# KiCad board labathome_pcb.kicad_pcb (continued)
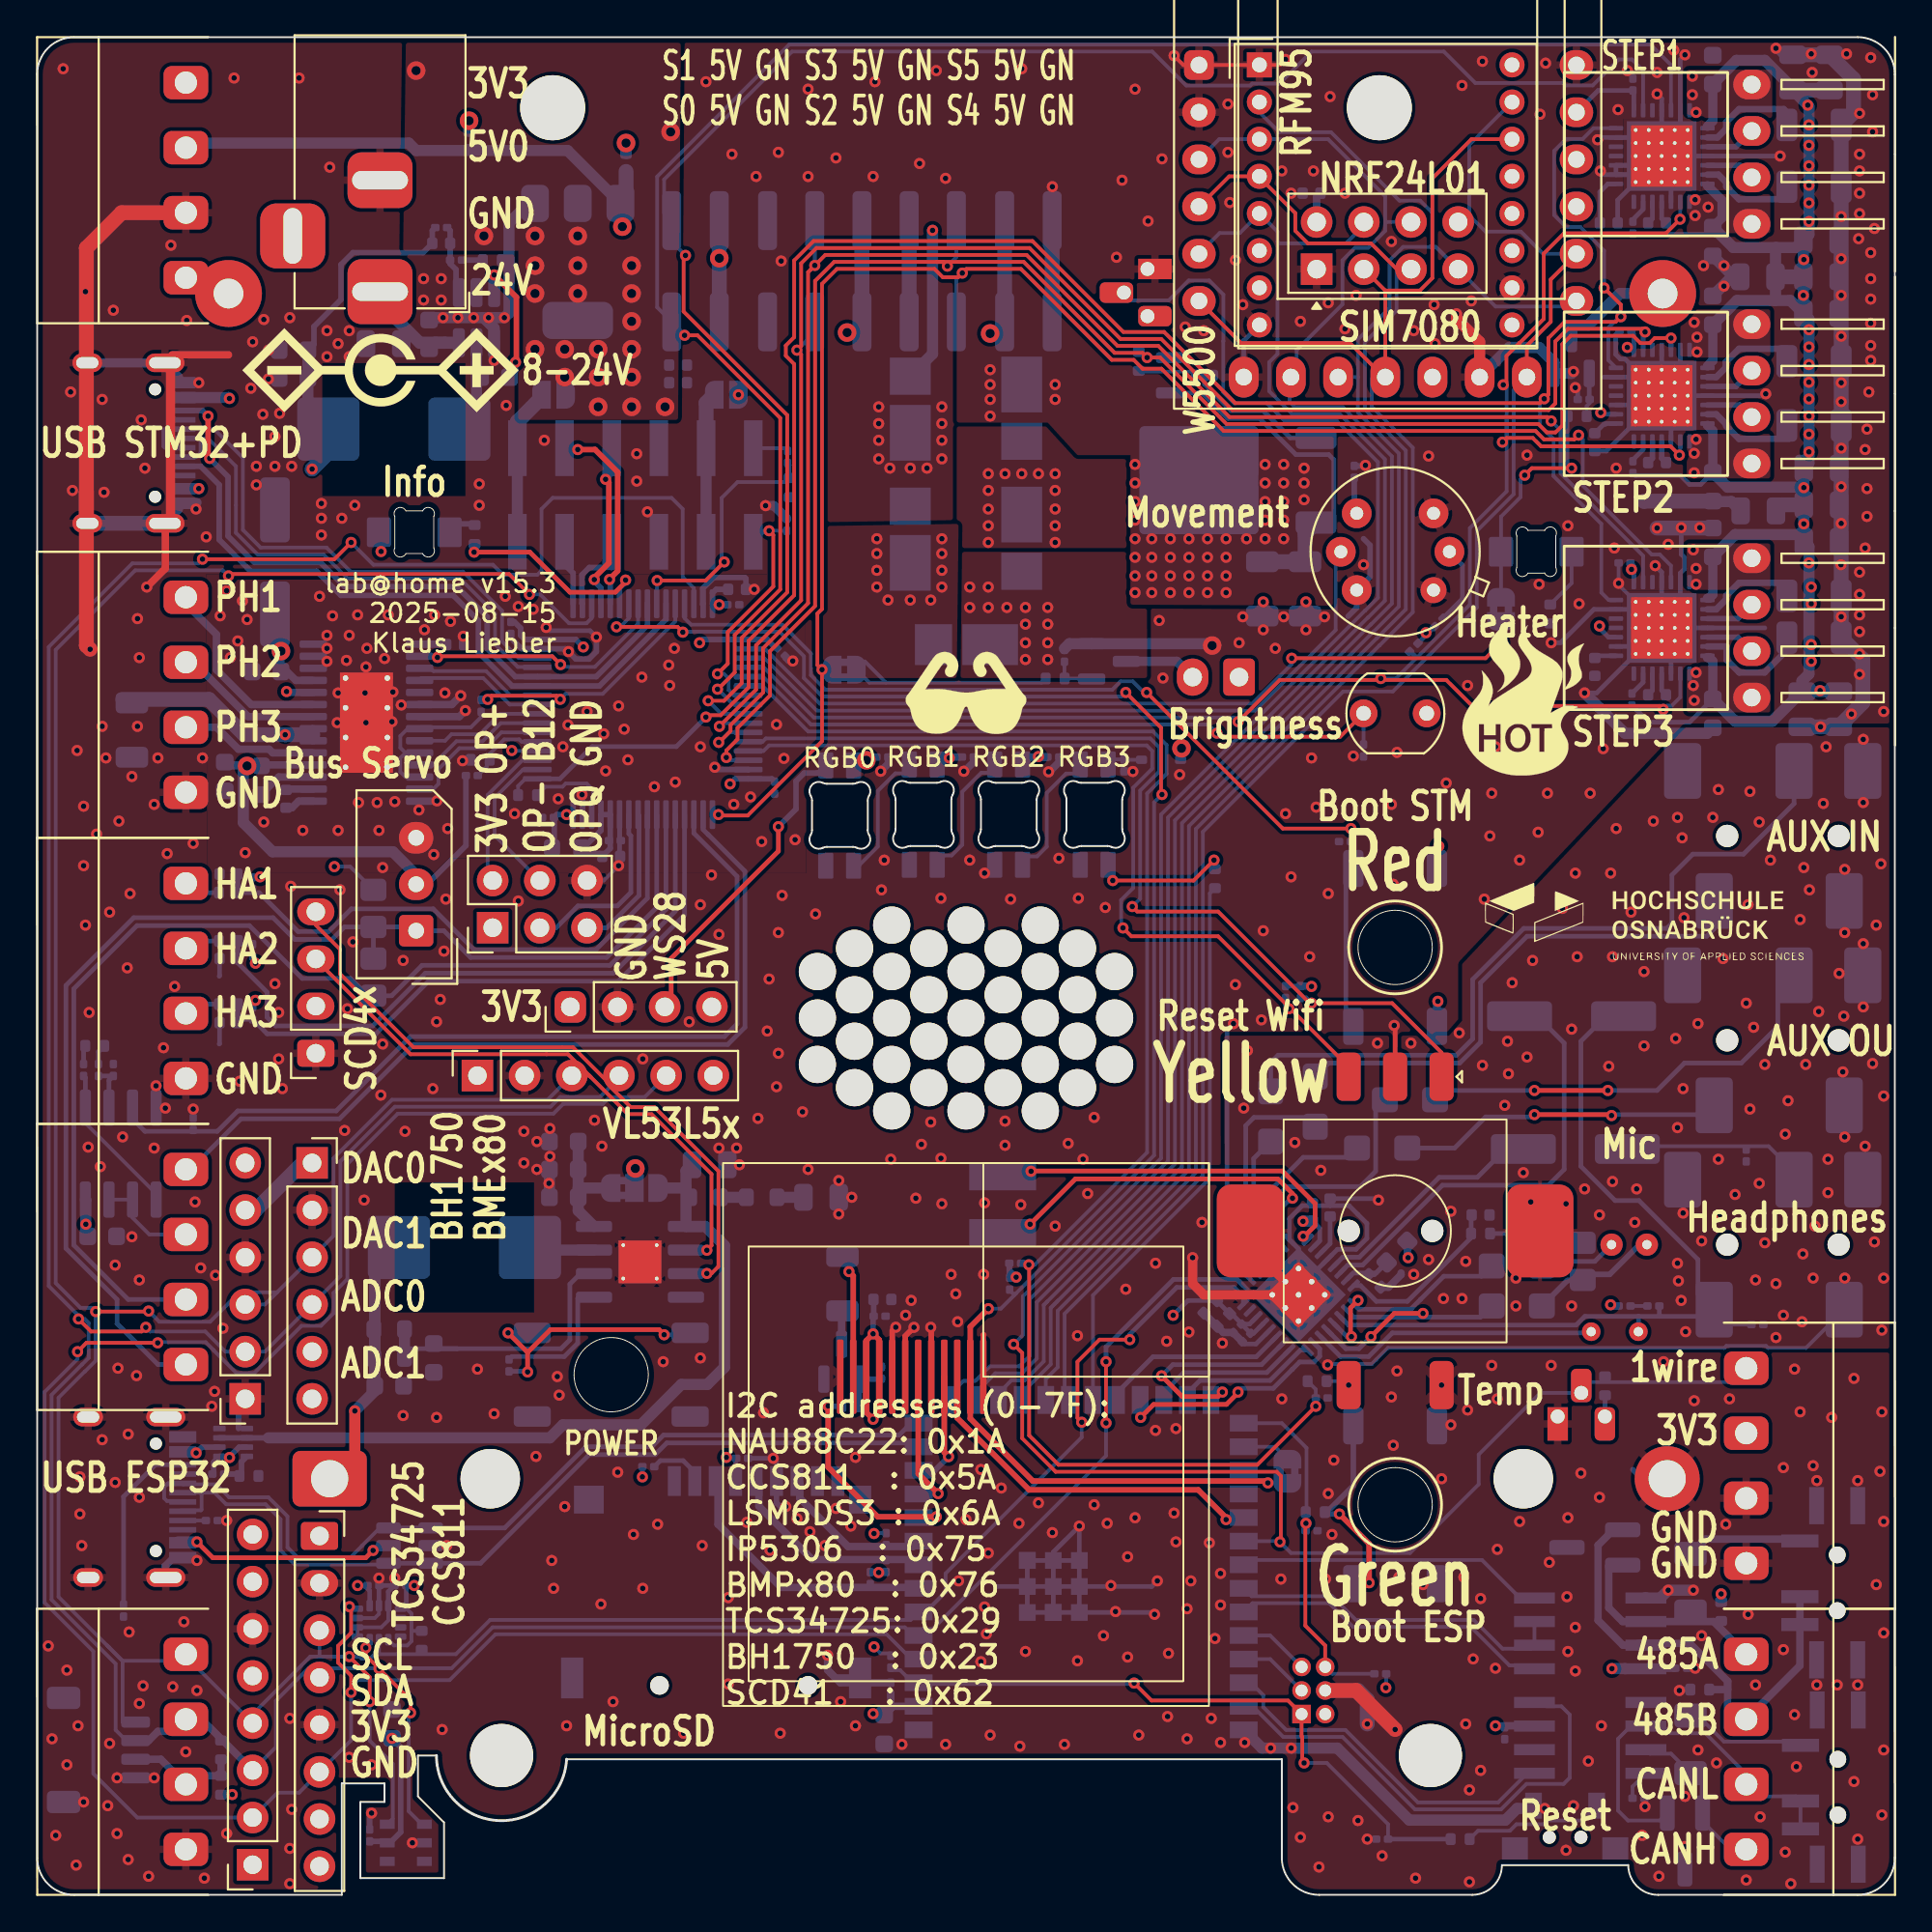
[diagram p0: board, top side]
## Routing (per net, layer and track width the routed paths; a pad name or vN(x,y) marks a point on that pad's centre or on a via; arc(x,y) is an arc through that point) (continued)
STEPPER_DIR1: length 94.6
  Top w0.2: v1(36.62,64.9) 36.65,64.9 37.55,65.8 37.55,67.82 40,70.27 40,79.5 35.55,83.95 v1(34.85,83.95)
  Bottom w0.2: v1(34.85,83.95) 34.85,83.98 J25.17 33.38,85.46 33.38,92.49 40.48,99.6 86.85,99.6 87.95,98.5 U14.19 ; U5.8 37.47,64.08 36.62,64.92
  Bottom w0.25: 36.62,64.92 v1(36.62,64.9)
STEPPER_EN: length 103.3
  Top w0.2: v1(64.65,63.15) 66.9,65.4 75.85,65.4 77.25,64 87.35,64 v1(87.53,63.81) ; v1(88.4,77.5) 87.93,77.97 80.96,77.97 80.51,78.42 79.1,78.42 v1(78.88,78.2) ; v1(88.43,90.2) 87.68,89.44 82.19,89.44 81.1,88.35 81.1,84.84 79.8,83.53 79.78,83.53 79.09,82.84 79.09,81.45 v1(78.92,81.28)
  Bottom w0.2: U19.2 88.45,77.55 v1(88.4,77.5) ; v1(78.92,81.28) 79.1,81.1 79.1,79.4 ; v1(88.43,90.2) 88.45,90.21 U14.2 ; v1(72.33,65.47) 73.14,65.47 77.12,69.45 77.12,73.57 79.1,75.55 79.1,79.4 ; v1(64.65,63.15) 64.42,63.38 41.81,63.38 39.11,66.08 U5.4 ; v1(78.88,78.2) 79.1,78.42 79.1,79.4 ; U20.2 88.45,64.47 88,64.02 87.73,64.02 v1(87.53,63.81)
  Bottom w0.25: 74.24,66.61 73.94,66.91 73.89,66.91 R29.1
STEPPER_STEP1: length 94.7
  Top w0.2: v1(34.9,88.25) 34.8,88.15 34.8,85.23 40.38,79.65 40.38,70.11 37.93,67.66 37.93,65.22 36.98,64.28 v1(36.12,64.28)
  Bottom w0.2: 34.16,88.99 v1(34.9,88.25) ; v1(36.12,64.28) 36.82,63.58 U5.9 ; U14.16 86.45,98.2 85.85,98.8 85.13,98.8 83.73,97.4 82.27,97.4 82.13,97.53 77.42,97.53 75.72,99.22 68.6,99.22 66.88,97.5 65.41,97.5 65.3,97.4 61.85,97.4 60.03,99.22 40.64,99.22 33.75,92.34 33.75,90.53
STEPPER_STEP2: length 84.1
  Top w0.2: v1(36.72,62.9) 38.7,64.88 38.7,67.26 41.12,69.69 41.12,82.92 v1(40.9,83.15) 41.12,83.38 41.12,87.82 41.95,88.65 53.42,88.65 58.31,83.75 60.51,83.75 64.34,79.92 81.37,79.92 81.72,80.28 81.72,83.62 82.4,84.3 86.38,84.3 v1(86.55,84.13)
  Bottom w0.2: v1(40.9,83.15) 41.86,84.11 ; U5.10 36.9,63.08 v1(36.72,62.9)
  Bottom w0.25: v1(86.55,84.13) 86.45,84.03 U19.16
STEPPER_STEP3: length 86.7
  Top w0.2: v1(36.69,62.04) 36.71,62.04 37.32,62.65 37.32,62.97 39.07,64.72 39.07,67.11 41.5,69.53 41.5,87.35 41.62,87.48 ; 41.62,87.48 42.42,88.28 53.26,88.28 58.16,83.38 60.35,83.38 64.18,79.55 81.29,79.55 v1(81.5,79.34) ; 41.62,87.48 v1(41.86,87.71)
  Bottom w0.2: U20.16 86.45,72.08 82,76.53 82,78.84 v1(81.5,79.34) ; U5.11 37.25,62.58 36.71,62.04 v1(36.69,62.04) ; v1(41.86,87.71) J25.12
STEPPER_UART: length 121.9
  Top w0.2: v1(36,63.4) 36.1,63.5 36.79,63.5 38.3,65.01 38.3,67.51 40.75,69.96 40.75,82.4 40.3,82.85 40.3,83.4 40.75,83.85 40.75,87.98 41.8,89.03 53.57,89.03 58.47,84.13 60.66,84.13 64.49,80.3 80.89,80.3 v1(81.12,80.53) 81.35,80.76 81.35,83.8 82.22,84.67 84.97,84.67 v1(85.25,84.95) 85.25,85.6 v1(84.35,86.5)
  Bottom w0.2: U20.14 84.6,69.7 84.2,70.1 84.2,73.8 81.62,76.38 81.62,78.37 80.9,79.09 80.9,80.31 v1(81.12,80.53) ; v1(85.25,84.95) 85.17,84.95 84.57,84.36 84.57,82.61 U19.14 ; R22.2 25.89,59.69 26.28,60.08 ; U14.14 83.78,95.1 83.2,94.52 82.3,94.52 81.66,93.88 81.66,90.42 82.3,89.78 83.08,89.78 84.35,88.51 v1(84.35,86.5)
  Bottom w0.25: U5.33 28.14,60.08 29.88,61.81 34.41,61.81 v1(36,63.4)
STM32_RESET: length 13.6
  Top w0.2: v1(36.62,65.73) 37.18,66.28 37.18,67.97 39.62,70.42 39.62,73.2 v1(39.4,73.43)
  Bottom w0.2: C25.1 v1(39.4,73.43) 39.15,73.43 J36.2 ; v1(36.62,65.73) 36.97,65.73 37.22,65.47 37.22,64.85 37.5,64.58 U5.7
SWCLK: length 4.7
  Bottom w0.3: J36.8 30.93,71.46 30.54,71.46 30.54,71.45 29.72,71.45 29.32,71.05 29.32,69.53 U5.50
SWDIO: length 2.3
  Bottom w0.3: 28.39,71.61 28.85,71.15 U5.49
U3T: length 4.8
  Bottom w0.2: U5.30 29.85,58.89 29.93,58.97 29.93,59.47 29.58,59.82 28.45,59.82 28.28,59.65 27.36,59.65 R22.1
UART4_RX: length 11.1
  Top w0.3: v1(30.81,70.81) 30.81,70.83 31.25,71.27 31.25,76.58 30.03,77.8 v1(29.1,77.8)
  Bottom w0.3: J36.9 29.03,77.88 v1(29.1,77.8) 28.76,77.8 28.69,77.88 ; U5.53 30.85,70.77 v1(30.81,70.81)
UART4_TX: length 7.7
  Top w0.3: v1(29.99,70.8) 29.99,70.9 30.78,71.69 30.78,76.03 v1(30.6,76.2)
  Bottom w0.3: v1(29.99,70.8) 29.99,70.71 30.35,70.35 U5.52 ; v1(30.6,76.2) 30.93,76.53
USBM: length 48.8
  Bottom w0.2: 7.75,20.7 8.81,20.7 8.85,20.74 8.85,21.56 8.76,21.65 J5.A7 ; 18.84,17.78 13.87,17.78 13.1,18.55 13.1,20.22 12.29,21.03 10.17,21.03 9.55,21.65 7.6,21.65 8.53,21.65
  Bottom w0.25: 47.25,24.33 33.89,24.33 33.27,23.7 29.72,23.7 23.87,17.85 U8.3 U8.4
USBP: length 48.5
  Bottom w0.2: 18.44,19.75 17.48,18.79 17.48,18.78 16.86,18.16 14.03,18.16 13.47,18.71 13.47,20.38 12.45,21.4 10.33,21.4 9.63,22.1 7.85,22.1 7.8,22.15 ; J5.A6 7.7,21.15 7.65,21.2 6.99,21.2 6.84,21.35 6.84,21.95 7.04,22.15 J5.B6 7.05,22.15 7,22.1 7.45,22.1
  Bottom w0.25: U8.6 U8.1 25.17,19.75 29.54,24.12 33.09,24.12 33.72,24.75 46.4,24.75 47.04,25.39
USBPD_CC1: length 36.3
  Bottom w0.3: 7.55,76.9 8.8,76.9 9.8,75.9 9.8,72.95 11.5,71.25 15.05,71.25 16.35,69.95 22.4,69.95 23.75,68.6 23.75,66.89 25.57,65.08 U5.43 30.27,65.08 33.85,68.66 U5.59
USBPD_CC2: length 37.7
  Top w0.3: v1(9.2,79.6) 9.2,77.41 v1(9.29,77.32)
  Bottom w0.3: 7.55,79.9 8.9,79.9 v1(9.2,79.6) ; U5.57 32.85,68.33 30.1,65.58 U5.44 25.74,65.58 24.22,67.09 24.22,68.79 22.59,70.42 16.55,70.42 15.25,71.72 11.69,71.72 10.28,73.14 10.28,76.34 v1(9.29,77.32)
USBPD_D+: length 30.6
  Bottom w0.2: 7.8,78.9 6.87,78.9 6.8,78.83 6.8,77.97 6.87,77.9 J13.A6 ; U5.46 25.92,66.58 25.03,67.47 25.03,69.12 22.92,71.22 16.88,71.22 15.58,72.53 12.03,72.53 11.08,73.48 11.08,77.36 9.53,78.9 7.55,78.9
USBPD_D-: length 30.3
  Bottom w0.2: 7.75,77.4 8.58,77.4 8.8,77.62 8.8,78.33 8.72,78.4 J13.A7 9.2,78.4 10.7,76.9 10.7,73.32 11.87,72.15 15.42,72.15 16.72,70.85 22.77,70.85 24.65,68.97 24.65,67.32 25.87,66.1 27.05,66.1
uSD_CLK: length 11.3
  Bottom w0.4: J17.5 38.85,22.12 38.85,20.93 41.72,18.05 47.17,18.05 U4.8
uSD_CMD: length 14.5
  Bottom w0.4: 47.4,16.55 40.05,16.55 36.65,19.95 36.65,22.12 J17.3
uSD_D0: length 8.6
  Bottom w0.4: J17.7 41.05,22.12 41.05,21.35 43.65,18.75 47.16,18.75 U4.9
Net-(C1-Pad1): length 1.4
  Bottom w0.6: C1.1 R3.2
Net-(C16-Pad2): length 16.8
  Top w0.25: v1(80.6,42) 84.7,42 v1(84.75,41.95)
  Bottom w0.25: v1(80.6,42) 80.47,41.88 77.97,41.88 76.3,40.2 C16.2 ; v1(84.75,41.95) 84.8,42 89.78,42
Net-(C17-Pad2): length 21.3
  Top w0.25: v1(80.6,43.3) v1(84.55,43.3)
  Bottom w0.25: v1(80.6,43.3) 75.75,43.3 ; v1(84.55,43.3) 87.2,43.3 88.68,44.78 91.73,44.78 93.7,46.74 93.7,48.62
Net-(C19-Pad2): length 8.6
  Bottom w0.2: 86.55,40.3 93.2,40.3 94.57,38.92
Net-(C24-Pad1): length 40.7
  Bottom w0.25: C24.1 66.4,44.8 66.8,45.2 76.4,45.2 77.28,46.08 77.28,49.28 80.02,52.03 87.72,52.03 88,52.3 88,54.9 89.12,56.02 91.85,56.02 94.57,58.74 J3.R
Net-(C62-Pad1): length 28.1
  Bottom w0.25: J3.T 90.28,52 89.88,51.6 80.2,51.6 77.7,49.1 77.7,45.9 76.58,44.78 69.53,44.78 C62.1
Net-(D14-A): length 12.7
  Top w0.2: v1(82.6,76.8) 80.46,76.8 v1(80.08,76.42)
  Bottom w0.2: 82.38,79.58 82.38,77.03 v1(82.6,76.8) ; v1(80.08,76.42) 79.85,76.19 79.85,75.24 78.8,74.19 D14.2 JP8.2
Net-(D14-K): length 3.3
  Bottom w0.2: R6.2 82.6,70.61 D14.1
Net-(D15-DIN): length 6.1
  Bottom w0.2: 55.86,60.36 55.39,60.36 54.35,59.32 54.35,56.42 53.82,55.9 53.3,55.9
Net-(D15-DOUT): length 6.1
  Bottom w0.2: 51.3,60.4 50.82,60.4 49.8,59.38 49.8,56.53 49.22,55.95 48.82,55.95 48.74,55.96
Net-(D16-DOUT): length 6.2
  Bottom w0.2: 46.67,60.36 46.6,60.37 46.2,60.37 45.25,59.43 45.25,56.43 44.27,55.45 44.25,55.45
Net-(D17-DOUT): length 16
  Top w0.25: v1(39.9,57.5) 39.9,56.18 34.13,50.41 34.13,48.5
  Bottom w0.3: 42.45,60.39 42.17,60.39 42.1,60.4 41.99,60.39 41.29,60.39 40.85,59.95 40.85,58.45 v1(39.9,57.5)
Net-(D19-K): length 0.7
  Bottom w0.3: 23.39,73.8 22.65,73.8
Net-(D20-K): length 1.6
  Bottom w0.2: D20.1 58.52,61.1 ; C45.2 57.87,61.12
Net-(D21-DIN): length 6.9
  Top w0.2: v1(57.9,54.6) 62.25,54.6 v1(63.35,55.7)
  Bottom w0.2: v1(63.35,55.7) 63.4,55.65 R70.1 ; v1(57.9,54.6) 57.9,55.05
Net-(J1-Pin_1): length 1.3
  Bottom w0.25: R16.1 8.5,53.95
Net-(J1-Pin_2): length 1.4
  Bottom w0.25: R14.1 8.41,51.35
Net-(J1-Pin_3): length 1.3
  Bottom w0.25: R10.1 8.5,47.95
Net-(J5-CC1): length 1.5
  Bottom w0.2: 7.6,20.15 R18.1
Net-(J5-CC2): length 9.5
  Bottom w0.25: 7.6,23.15 6.37,23.15 4.65,21.43 R19.1
Net-(J7-Pin_2): length 3.9
  Bottom w0.5: J7.2 61.35,66.4 Q5.3
Net-(J17-DAT3/CD): length 2.6
  Bottom w0.25: 35.4,22.75 34.78,23.38 33.54,23.38 R61.2
Net-(J24-Pin_1):
  vias: v1(89.25,91.25) v1(89.25,90.4) v1(89.95,90.85)
Net-(J24-Pin_2): length 2.7
  Bottom w0.3: U14.26 91.65,93.1 J24.2
Net-(J24-Pin_3): length 2.7
  Bottom w0.3: U14.24 91.45,94.1 J24.3
Net-(J24-Pin_4):
  vias: v1(89.1,97.9) v1(89.1,96.9) v1(89.3,95.95)
Net-(J28-Pin_1): length 10.2
  Bottom w0.4: 14.84,64.08 11.52,64.08 9.65,65.95 9.65,67.85 8,69.5
Net-(J28-Pin_2): length 7.6
  Bottom w0.4: 8.43,66.35 11.36,63.42 14.84,63.42
Net-(J28-Pin_3): length 7.4
  Bottom w0.4: J28.3 9.65,62.85 10.83,61.67 12.48,61.67 12.68,61.47 14.84,61.47
Net-(J30-Pin_1):
  vias: v1(89.2,77.6) v1(89.2,76.55) v1(89.3,78.35)
Net-(J30-Pin_2): length 2.7
  Bottom w0.3: J30.2 91.65,80.2 U19.26
Net-(J30-Pin_3): length 2.7
  Bottom w0.3: J30.3 91.45,81.2 U19.24
Net-(J30-Pin_4):
  vias: v1(89.2,84.65) v1(89.35,83.85) v1(89.35,83.05)
Net-(J31-Pin_1):
  vias: v1(89.15,65.1) v1(89.2,64.3) v1(89.3,65.8)
Net-(J31-Pin_2): length 2.7
  Bottom w0.3: J31.2 91.55,67.7 U20.26
Net-(J31-Pin_3): length 2.7
  Bottom w0.3: J31.3 91.55,68.7 U20.24
Net-(J31-Pin_4):
  vias: v1(89.15,72.4) v1(89.3,71.4) v1(89.3,70.55)
Net-(J36-Pin_3): length 8.1
  Bottom w0.6: J36.4 J36.3
  Bottom w0.8: J36.3 36.01,80.31 JP4.1
Net-(J36-Pin_11): length 8.3
  Bottom w0.6: J36.12 J36.11
  Bottom w0.8: J36.11 25.85,79.3 27.15,80.6
Net-(JP2-A): length 6.6
  Bottom w0.6: JP2.1 29.12,38.05 ; 29.12,38.05 C30.2 29.12,36.83 U2.8 ; 29.12,38.05 C31.2 C28.2
Net-(JP2-B): length 42.8
  Bottom w0.3: 9.8,24.6 U18.2 12.45,24.6
  Bottom w0.6: C4.1 34.93,38.97 34.93,38.1 ; 34.93,38.1 34.88,38.05 JP2.3 ; 34.93,38.1 U2.1 35.97,35.98 37,34.95 37,28.4 36.07,27.47 34.68,27.47 32.5,25.3 28.3,25.3 27.6,24.6 12.45,24.6
Net-(JP3-A): length 2.6
  Bottom w0.2: JP3.1 66.63,24.12 U4.28
Net-(JP9-B): length 12.2
  Bottom w0.2: JP9.2 44.8,65.25 54.06,65.25 R35.2 ; 44.55,66.4 45.7,65.25
Net-(MK1-+): length 7.3
  Bottom w0.25: 81.25,34.1 83.85,34.1 MK1.2 ; 81,34 79.4,35.6 R24.1
Net-(MK1--): length 6.2
  Bottom w0.3: 86.25,35 84.65,33.4 83.32,33.4 ; 83,33.08 82.38,33.08 C20.1
Net-(Q1-B): length 19.4
  Bottom w0.25: 68.55,73.8 69.35,73.8 69.8,74.25 69.8,77.25 69.52,77.53 67.76,77.53 65.81,79.47 64.08,79.47 62.71,80.85 Q1.1
  Bottom w0.8: R15.1 R13.1 68.25,73.28 Q3.3
Net-(Q1-C): length 11
  Bottom w0.2: 62.65,81.99 59.35,81.99
  Bottom w0.25: Q1.3 62.84,81.32 64.26,79.9 65.99,79.9 67.46,78.43 Q3.1
Net-(Q2-G): length 2.3
  Bottom w0.2: R31.2 83.57,80.3 83.41,80.14 R30.1
  Bottom w0.25: Q2.1 83.55,80.52
Net-(Q5-G): length 2.3
  Bottom w0.2: 56.74,65.47 R35.1 ; 55.3,65.48 R45.2
Net-(Q6-D): length 1.8
  Bottom w0.4: Q6.3 43.3,31.39
Net-(Q6-G): length 2.6
  Bottom w0.3: 44.25,26.36 Q6.1 45.43,27.76
Net-(R1-Pad1): length 7.6
  Bottom w0.2: SW1.2 83.15,4 81.3,4 81.1,3.8 79.63,3.8 79.28,3.45 77.56,3.45 R1.1
Net-(R3-Pad1): length 1.4
  Bottom w0.6: R3.1 36.78,37.55
Net-(R4-Pad2): length 14.1
  Top w0.25: v1(26.4,28.15) 26.4,29.2 ; 26.4,29.2 27.63,30.43 33.47,30.43 v1(33.75,30.15) ; 26.4,29.2 v1(25.35,30.25)
  Bottom w0.25: v1(25.35,30.25) SW5.2 ; R4.2 26.37,28.18 v1(26.4,28.15) ; v1(33.75,30.15) 35.05,30.15
Net-(R25-Pad1): length 0.9
  Bottom w0.2: R25.1 R54.2
Net-(R40-Pad2): length 11.2
  Top w0.3: v1(71.7,16.8) 71.7,18.9 v1(70.1,20.5)
  Bottom w0.3: 69.42,20.6 70.85,22.03 SW8.2 ; v1(71.7,16.8) 71.65,16.75 SW8.2 ; v1(70.1,20.5) 69.41,20.5
Net-(R48-Pad2): length 0.9
  Bottom w0.3: R60.1 23.74,88
Net-(R49-Pad1): length 1
  Bottom w0.25: R85.1 2.5,45.61 R49.1
Net-(R49-Pad2): length 1.1
  Bottom w0.25: R49.2 3.3,45.39 R82.2
Net-(R66-Pad1): length 1.3
  Bottom w0.2: R66.1 70.39,27.65 v1(70.6,27.44)
Net-(SW2-A): length 6.1
  Bottom w0.4: 94.79,19.15 89.8,19.15 R20.2
Net-(SW3-A): length 6.2
  Bottom w0.2: SW3.1 94.72,8.25 90.8,8.25 89.4,9.65
Net-(U2-BAT): length 16.7
  Bottom w0.25: 22.6,29.4 21.62,29.4 ; 22.6,29.4 19.78,29.4 R7.2 ; 22.6,29.4 28.2,29.4 28.68,29.88 28.68,32.88 29.24,33.44 U2.6
  Bottom w0.6: R7.2 R28.2
Net-(U2-KEY): length 7.4
  Bottom w0.25: R4.1 25.56,28.97 28.38,28.97 29.1,29.7 29.1,32.1 29.17,32.17 U2.5
Net-(U2-SW): length 3.3
  Bottom w0.6: U2.7 26.67,34.71
Net-(U3-CPH): length 1.4
  Bottom w0.4: U3.2 13.44,59.53
Net-(U3-CPL): length 1.6
  Bottom w0.4: C38.1 13.72,58.52 14.08,58.88 U3.1
Net-(U3-V3P3): length 1.4
  Bottom w0.4: 20.56,67.33 22,67.33
Net-(U3-VCP): length 3.2
  Bottom w0.4: C51.1 13,60.17 U3.3
Net-(U5-VDDA): length 6.4
  Bottom w0.3: FB2.1 29.59,56.05 30.27,56.05 C37.1 30.85,56.33 U5.28 U5.29 30.35,57.3 29.4,56.35
Net-(U7-Rs): length 1.6
  Bottom w0.2: U7.8 85.88,5.82 R21.1
Net-(U10-AUXOUT1): length 9
  Bottom w0.25: 70.55,39.7 68.15,39.7 65.91,37.46 65.91,34.65 U10.21
Net-(U10-AUXOUT2): length 12.6
  Bottom w0.25: 72.05,42.3 72.05,38.95 71.22,38.12 67.28,38.12 66.33,37.18 66.33,34.93 U10.22
Net-(U10-LAUXIN): length 11.6
  Bottom w0.25: U10.19 65.06,34.08 65.06,41.41 65.5,41.85 68.3,41.85
Net-(U10-LHP): length 23.2
  Bottom w0.25: 80.75,47.3 82.2,45.85 82.2,39.05 81.35,38.2 75.65,38.2 71.35,33.9 70.55,33.9 70.16,33.51 U10.30
Net-(U10-LMICN): length 14.5
  Top w0.25: v1(74.6,31.3) 73.05,31.3 v1(71.8,30.05)
  Bottom w0.25: 70.52,31.45 70.87,31.1 77.7,31.1 C20.2 ; v1(71.8,30.05) 71.15,29.4 70.45,29.4 U10.5
Net-(U10-LMICP): length 12.2
  Top w0.25: v1(71.1,32) 70.7,31.6 70.7,30.1 v1(70.75,30.05)
  Bottom w0.25: U10.4 70.5,30.05 v1(70.75,30.05) ; C23.2 77.75,33.3 75.72,33.3 73.97,31.56 73.97,31.52 71.15,31.52 U10.1 70.91,31.81 v1(71.1,32)
Net-(U10-LSPKOUT): length 18.4
  Top w0.25: v1(68.15,35.45) 68.22,35.45 68.79,36.02 68.79,37.21 67.04,38.96 53.51,38.96 v1(53.5,38.95)
  Bottom w0.25: v1(68.15,35.45) 68.21,35.45 U10.25
Net-(U10-MICBIAS): length 9.3
  Bottom w0.25: 77.19,36.57 R24.2 77.19,35.37 73.76,31.95 72.09,31.95 71.24,32.79 U10.32
Net-(U10-MODE): length 1.4
  Bottom w0.25: U10.18 64.46,33.97 R26.1
Net-(U10-RAUXIN): length 7.3
  Bottom w0.25: C24.2 65.48,39.63 65.48,34.36 U10.20
Net-(U10-RHP): length 11.8
  Bottom w0.25: 79.05,40.15 77.53,38.62 75.47,38.62 71.17,34.33 70.28,34.33 U10.29
Net-(U10-RLIN/GPIO3): length 15.2
  Bottom w0.25: U10.6 70.16,28.97 71.68,28.97 72.95,30.25 83.29,30.25
Net-(U10-RSPKOUT): length 18.8
  Top w0.25: v1(53.45,36.1) 55.89,38.54 66.78,38.54 67.57,37.75 v1(67.57,37.5)
  Bottom w0.25: U10.23 66.76,35.21 66.76,36.76 67.5,37.5 v1(67.57,37.5)
Net-(U10-VREF): length 2.2
  Bottom w0.25: U10.27 69.6,35.06 C21.1
Net-(U12-VDD): length 17.6
  In2.Cu w0.4: v1(10.5,5.4) 10.51,5.39 12.19,5.39 14.7,7.9 15.84,7.9 16.34,8.4 19.08,8.4 v1(19.1,8.43)
  Bottom w0.3: C57.2 18.77,2.88 U12.2 19,2.8 19.57,3.38 19.57,7.95 v1(19.1,8.43)
  Bottom w0.4: v1(10.5,5.4) 10.49,5.39 R9.2
Net-(U14-5VOUT): length 2.7
  Bottom w0.25: C73.1 84.12,91.67 84.55,92.1 U14.8
Net-(U14-BRA): length 5.3
  Bottom w0.35: U14.23 90.45,94.6 90.93,95.08 90.93,95.44 91.61,96.12 94.02,96.12 94.29,95.86
Net-(U14-BRB): length 4.7
  Bottom w0.35: U14.27 90.5,92.6 90.93,92.17 90.93,91.96 91.61,91.28 93.96,91.28
Net-(U14-CPI): length 1.2
  Bottom w0.25: U14.5 86.95,90.23 C74.2
Net-(U14-CPO): length 1.2
  Bottom w0.25: U14.4 87.45,90.23 C74.1
Net-(U14-VCP): length 1.3
  Bottom w0.25: U14.6 86.45,90.74 85.9,90.19 C75.2
Net-(U16A--): length 5.1
  Bottom w0.2: 3.8,44.08 R82.1 ; 3.8,44.08 R81.2 ; 3.8,44.08 3.86,44.02 U16.2
  Bottom w0.25: U16.2 3.86,43.84 R81.2 R82.1
Net-(U16B-+): length 8.3
  Bottom w0.2: U16.1 2.59,41.55 6.41,37.74 6.41,37.42
  Bottom w0.25: U16.1 2.59,43.98 R85.2
Net-(U18-PR1): length 1.9
  Bottom w0.3: U18.4 11,23.31 11,22.6 ; R72.1 10.85,22.65
Net-(U19-5VOUT): length 1.4
  Bottom w0.25: C70.1 84.34,79.17 84.43,79.17 84.46,79.2 U19.8
Net-(U19-BRA): length 5.2
  Bottom w0.35: 94.29,83.22 91.61,83.22 90.9,82.51 90.9,82.21 90.39,81.7 U19.23
Net-(U19-BRB): length 5
  Bottom w0.35: U19.27 90.39,79.7 90.93,79.16 90.93,79.06 91.61,78.38 94.29,78.38
Net-(U19-CPI): length 1.2
  Bottom w0.3: C71.2 86.95,77.33 U19.5
Net-(U19-CPO): length 1.2
  Bottom w0.3: U19.4 87.45,77.33 C71.1
Net-(U19-VCP): length 1.2
  Bottom w0.25: 85.9,77.25 86.45,77.8 U19.6
Net-(U20-5VOUT): length 1.2
  Bottom w0.25: U20.8 84.08,66.7 83.85,66.47
Net-(U20-BRA): length 5.2
  Bottom w0.35: U20.23 90.39,69.2 90.93,69.74 90.93,69.94 91.61,70.62 93.94,70.62 94.29,70.28
Net-(U20-BRB): length 5.9
  Bottom w0.35: U20.27 90.95,67.2 90.95,66.47 91.62,65.8 92.99,65.8 94.29,67.1
Net-(U20-CPI): length 1.2
  Bottom w0.25: U20.5 86.95,64.83 C95.2
Net-(U20-CPO): length 1.2
  Bottom w0.25: C95.1 87.45,64.83 U20.4
Net-(U20-VCP): length 1.3
  Bottom w0.25: U20.6 86.45,65.27 C90.2
Net-(U22-OEN): length 4.3
  Bottom w0.25: R53.2 76.72,69.77 76.72,71.58 76,72.3

## Copper pours and planes (outline as drawn; the poured copper is in the pictures)
+3V3 on Top, Bottom: 19.7,88.5 19.85,99.95 34.65,99.95 34.5,79.4 25.9,79.4 25.9,88.5
GND on Top: 85.4,95.6 89.6,95.6 89.6,91.7 85.4,91.7
GND on Top: 85.5,82.6 89.3,82.6 89.3,78.8 85.5,78.8
GND on Top: 85.3,70.2 89.4,70.2 89.4,66.2 85.3,66.2
GND on Top, Bottom, In1.Cu, In2.Cu: 9.1,71.1 41.35,71.1 41.4,55 27.25,55 26.45,55.8 22.15,55.8 21.35,55 9.15,55
GND on Top, Bottom, In1.Cu, In2.Cu: 0,100 100,100 100,0 0,0
GNDA on Top, Bottom, In1.Cu, In2.Cu: 76.7,50.1 88.73,62.85 101.53,62.85 101.53,29.4 72.75,29.4 71.85,28.5 69.2,28.5 63.9,33.8 63.93,38.1 63.9,46.25 76,46.25 76.7,47.05
/actors/D9_COOL on Top, Bottom: 49.5,79.25 54.4,79.25 56,77.5 58.85,77.5 58.85,69.45 69.75,69.4 69.8,78.8 64.4,78.8 60.5,82.7 57.8,82.7 53.1,87.4 49.5,87.4
/actors/D10_COOL on Top, Bottom: 42.5,65.5 49.5,65.5 49.6,73.8 41.68,73.67 41.57,67.92
/actors/D11_COOL on Top, Bottom: 59.74,72.42 49.5,72.5 49.5,65.5 59.75,65.5
/actors/D12_COOL on Top, Bottom: 49.6,73.8 49.5,87.55 41.5,87.55 41.6,73.78
/actors/D13_COOL on Top, Bottom: 49.5,72.5 62.3,72.5 62.3,79.25 49.5,79.25
Net-(J24-Pin_1) on Top, Bottom: 88.8,91.55 93.3,91.55 93.3,89.45 88.8,89.45
Net-(J24-Pin_4) on Top, Bottom: 88.8,95.65 93.4,95.65 93.4,98.25 88.8,98.25
Net-(J30-Pin_1) on Top, Bottom: 88.8,78.65 88.8,76.25 93.3,76.25 93.3,78.65
Net-(J30-Pin_4) on Top, Bottom: 88.45,82.75 93.3,82.75 93.3,85.35 88.45,85.35
Net-(J31-Pin_1) on Top, Bottom: 88.8,66.15 93.3,66.15 93.3,63.65 88.8,63.65
Net-(J31-Pin_4) on Top, Bottom: 88.8,70.25 88.8,72.75 93.3,72.75 93.3,70.25

## Text on the board
B.Silkscreen: IN 5V GN TX RX 3V / RE 5V GN CL DI 3V | Speaker
F.Silkscreen: S1 5V GN S3 5V GN S5 5V GN / S0 5V GN S2 5V GN S4 5V GN | STEP1 | lab@home v15.3 / 2025-08-15 / Klaus Liebler | POWER | I2C addresses (0-7F): / NAU88C22: 0x1A / CCS811  : 0x5A / LSM6DS3 : 0x6A / IP5306  : 0x75 / BMPx80  : 0x76 / TCS34725: 0x29 / BH1750  : 0x23 / SCD41   : 0x62 | USB STM32+PD | USB ESP32 | PH1 | PH2 | PH3 | GND | HA1 | HA2 | HA3 | Bus Servo | DAC0 | DAC1 | ADC0 | ADC1 | SCL | SDA | 3V3 | 5V0 | 24V | 8-24V | MicroSD | VL53L5x | Movement | Brightness | Info | Reset Wifi | Boot STM | Boot ESP | Temp | Heater | Reset | Mic | SIM7080 | NRF24L01 | STEP2 | STEP3 | CANH | 1wire | 485A | 485B | CANL | AUX IN | Headphones | AUX OU | SCD4x | TCS34725 | BH1750 | CCS811 | BMEx80 | 3V3 OP+ | OP- B12 | OPQ GND | WS28 | 5V | W5500 | RFM95 | Yellow | Red | Green
